# Altium PCB PCB1.PcbDoc
Units mm, origin at the board's own origin, x right, y up, seen from the top; angles counter-clockwise.
Board outline 79.29 x 87.59 mm, 2 copper layers (Top Layer, Bottom Layer); 73 components, 53 nets, 212 pads, 156 vias.
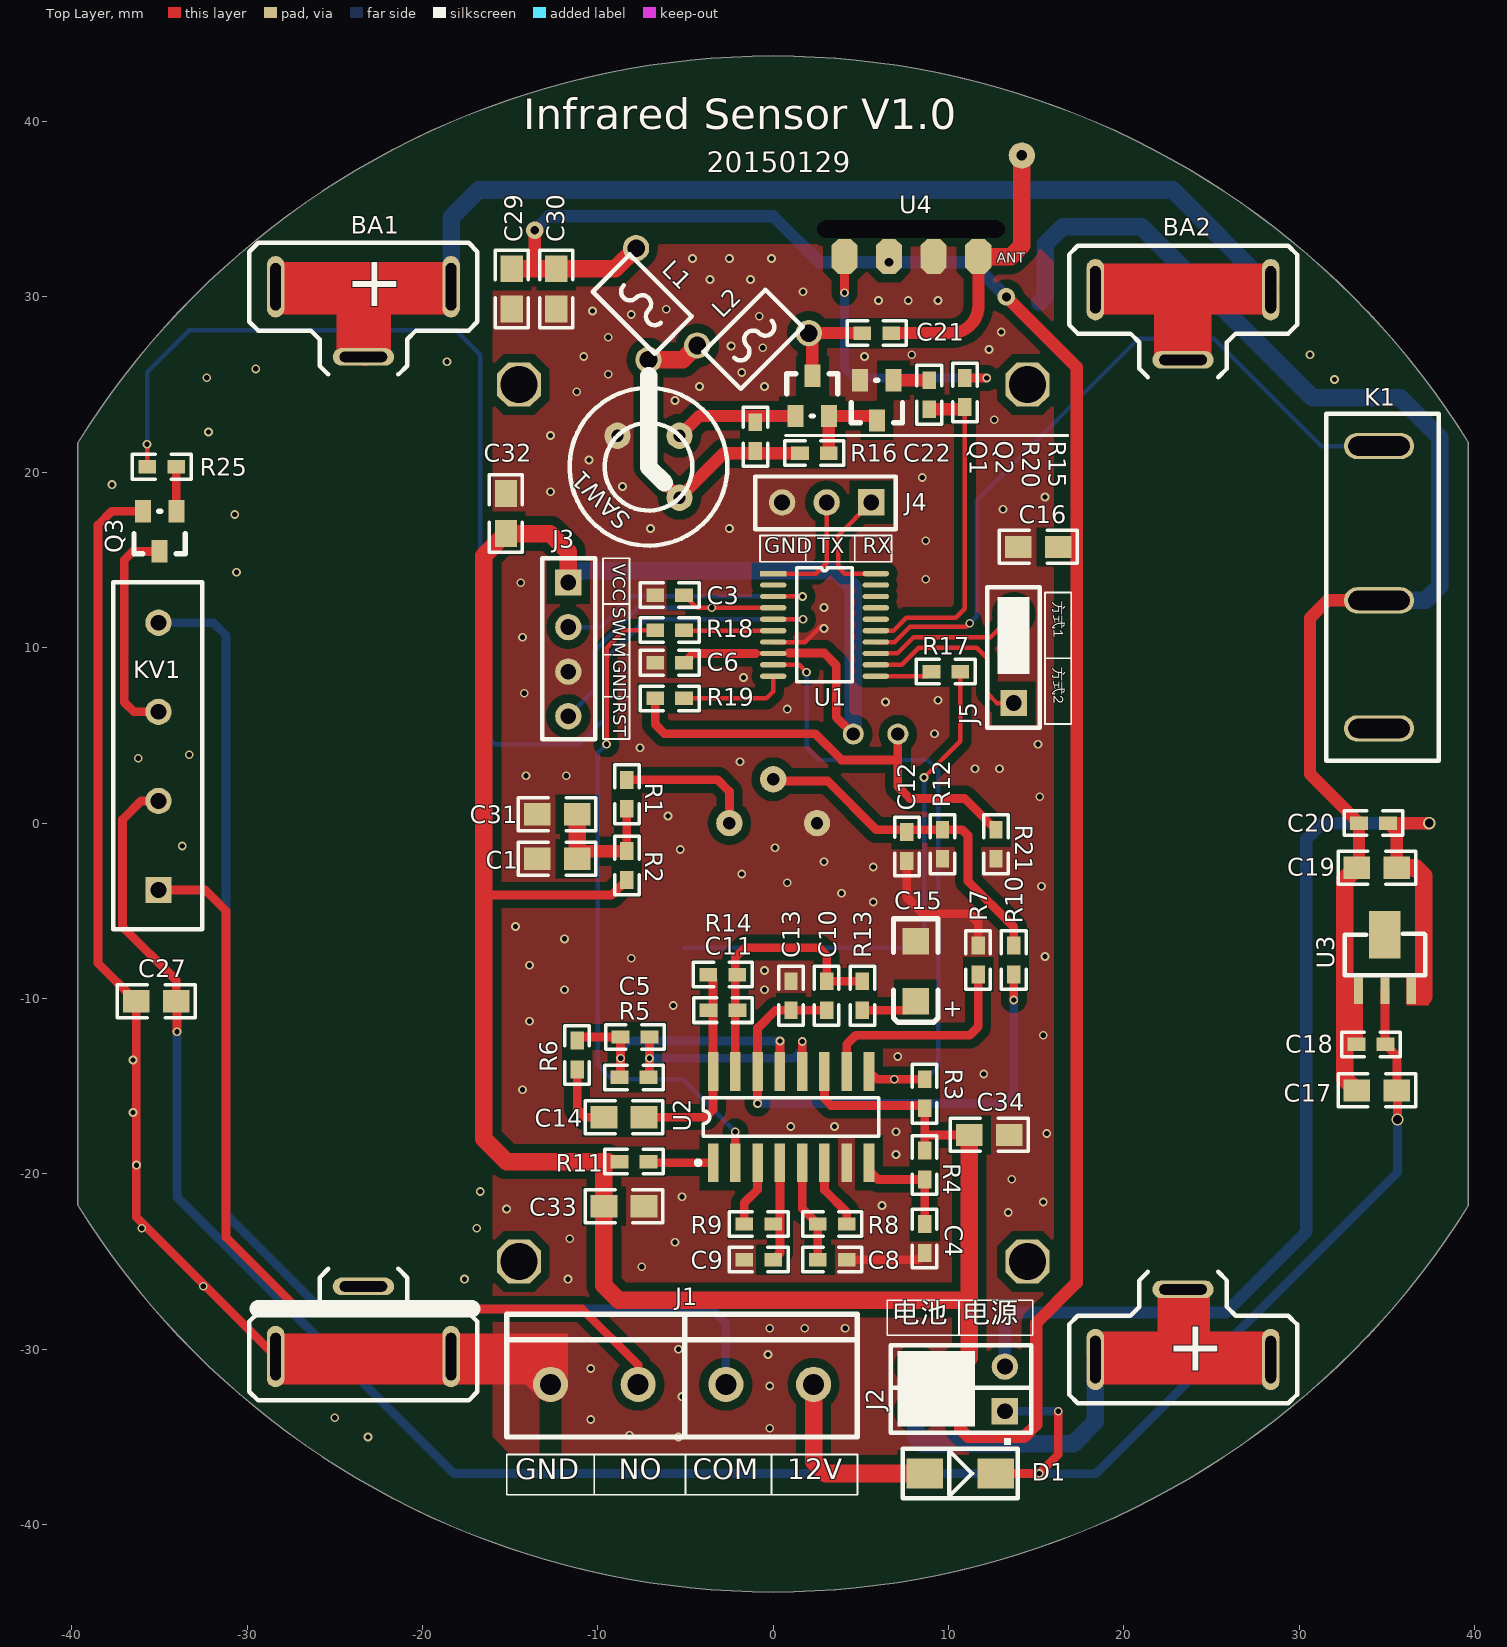
[diagram p0: Top Layer view]
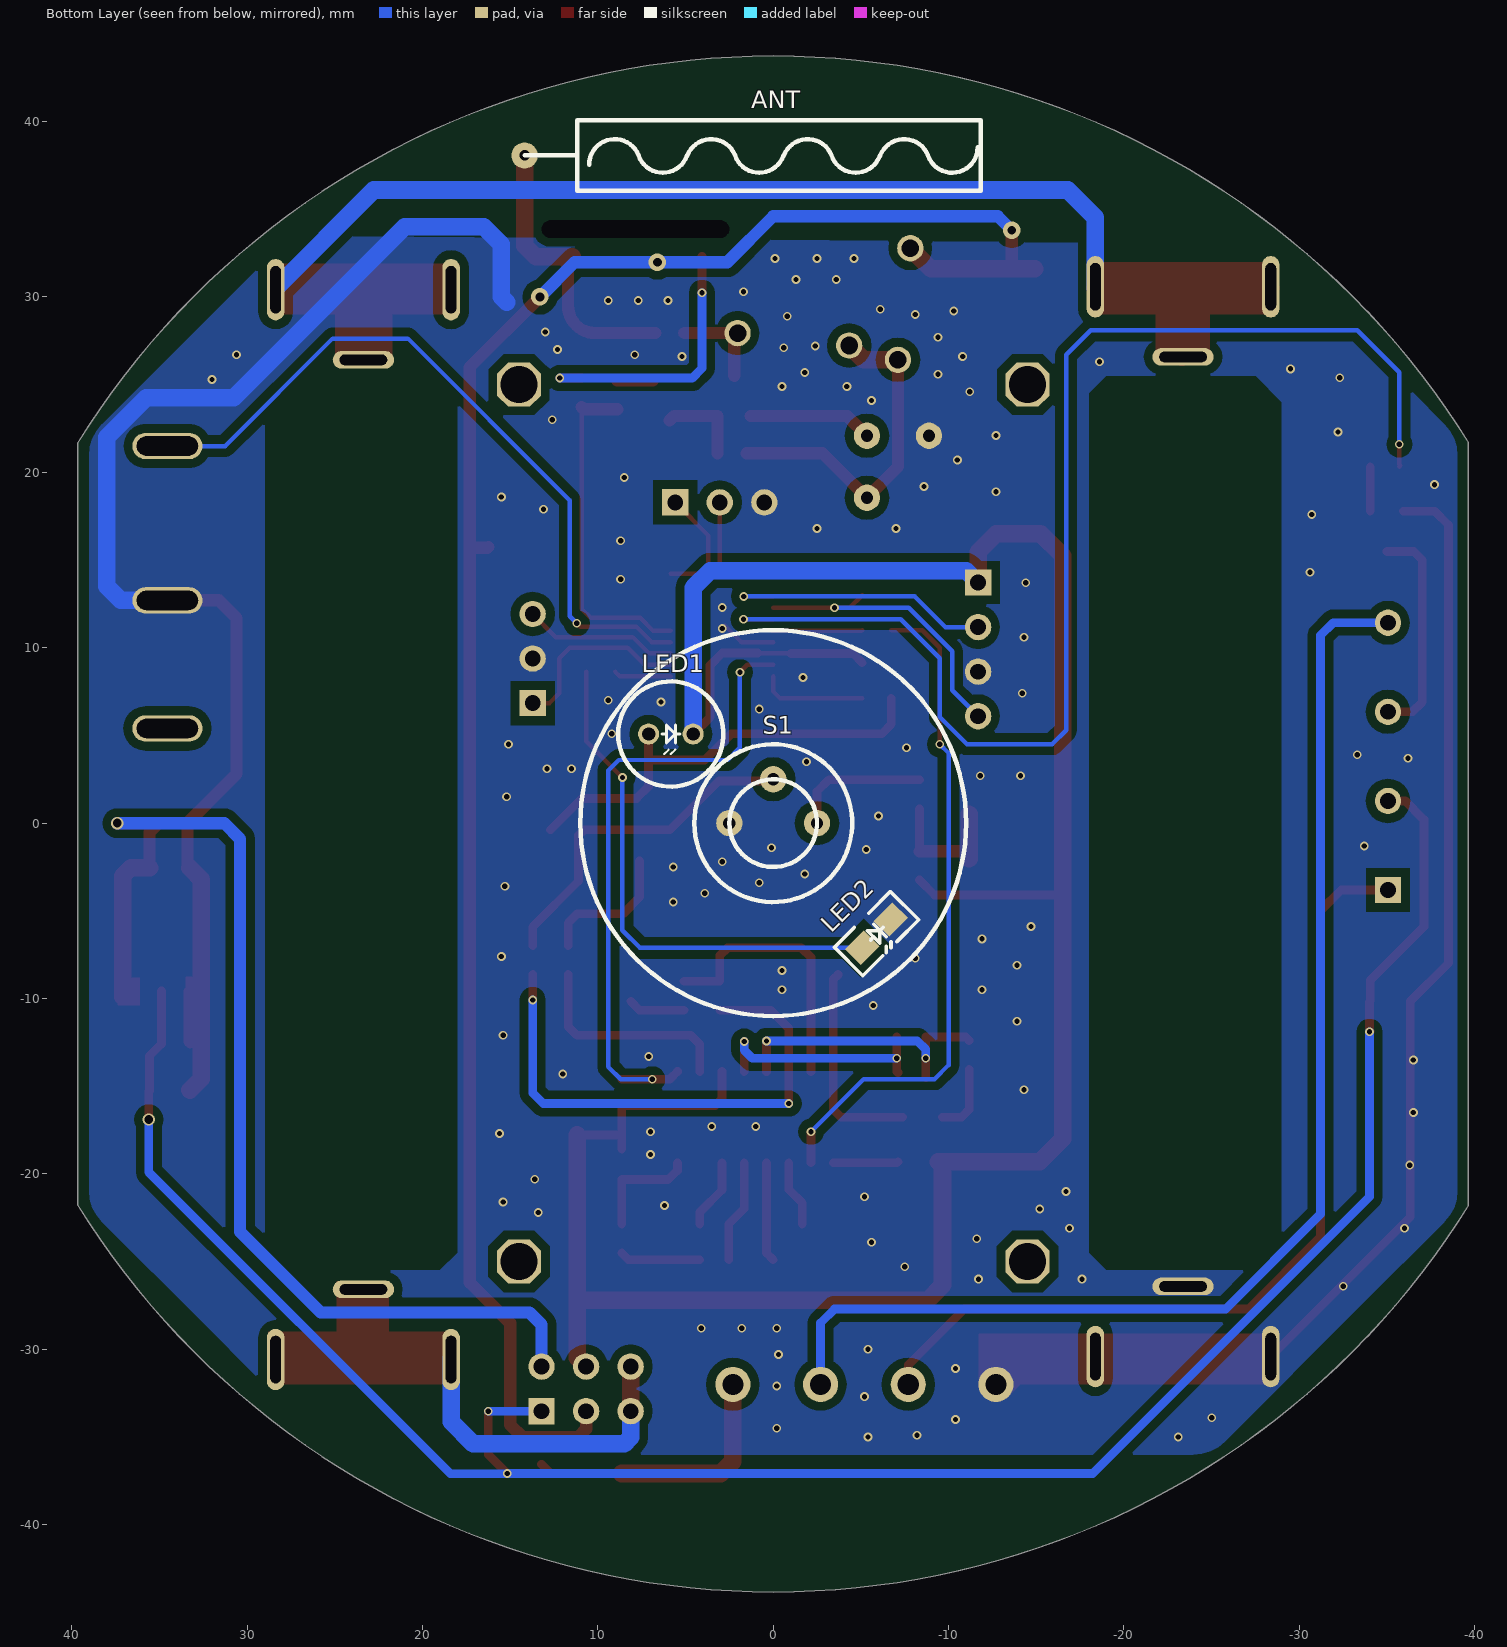
[diagram p1: Bottom Layer view, seen from below]

## Layer stack, top to bottom
Top Solder: solder mask 0.0102, Solder Resist, Dk 3.5
Top Layer: signal copper 0.0356
Dielectric1: dielectric 0.32, FR-4, Dk 4.8
Bottom Layer: signal copper 0.0356
Bottom Solder: solder mask 0.0102, Solder Resist, Dk 3.5

## Board outline
-39.643,-21.8 -39.643,21.7 cw(c0,-2.926) 39.643,21.7 39.643,-21.8 cw(c0,2.826)

## Design rules (kind name [scope] priority, off if disabled: settings)
Clearance [All] p1: gap=0.5
PlaneConnect [All] p1: planeconnectstyle=Direct reliefexpansion=0.508 reliefentries=4 reliefconductorwidth=0.254 reliefairgap=0.254
PolygonConnect [All] p1: connectstyle=Direct reliefconductorwidth=0.254 reliefentries=4 polygonreliefangle="90 Angle" airgapwidth=0.254
RoutingVias [All] p1: holewidth=0.711 width=1.27 viastyle="Through Hole" minholewidth=0.711 minwidth=1.27 maxholewidth=0.711 maxwidth=1.27
SilkToSolderMaskClearance SilkscreenOverComponentPads [IsPad] p1: minsilkscreentomaskgap=0.254 clearancetoexposedcopper=TRUE
SolderMaskExpansion [All] p1: expansion=0.102
Width [All] p1: maxlimit=5 minlimit=0.254 preferedwidth=0.254
28 further rules are at their usual default settings.

## Components (designator, comment, footprint, x,y, rotation, side; value= is the part's Value field where it differs from the comment)
ANT "ANT" ANT1 11.176,36.068 r180 bottom
BA1 "BAT" BAT-5 -23.368,-26.416 r90 top locked
BA2 "BAT" BAT-5 23.368,26.416 r270 top locked
C1 "10uF/16V" 0805 -11.176,-2.032 r180 top
C3 "0.1uF" 0603 -5.08,13 r180 top
C4 "0.1uF" 0603 8.636,-22.86 r270 top
C5 "0.1uF" 0603 -8.7,-12.192 r0 top
C6 "0.1uF" 0603 -5.08,9.144 r180 top
C8 "0.1uF" 0603 2.54,-24.892 r0 top
C9 "470P" 0603 0,-24.892 r180 top
C10 "470P" 0603 3.048,-10.668 r90 top
C11 "0.01uF" 0603 -2.032,-10.668 r180 top
C12 "0.1uF" 0603 7.62,-0.508 r270 top
C13 "0.1uF" 0603 1.016,-10.668 r90 top
C14 "10uF" 0805 -9.652,-16.764 r0 top
C15 "47uF/6.3V" A-3216 8.128,-10.16 r90 top
C16 "10uF/16V" 0805 16.256,15.748 r180 top (schematic designator C33)
C17 "10uF/16V" 0805 35.56,-15.24 r180 top
C18 "0.1uF" 0603 34.904,-12.612 r180 top
C19 "10uF/16V" 0805 35.56,-2.54 r180 top
C20 "0.1uF" 0603 35.052,0 r180 top
C21 "5P" 0603 5.08,27.94 r0 top
C22 "5P" 0603 1.52,21.096 r0 top
C27 "10uF/16V" 0805 -34.036,-10.16 r180 top
C29 "10uF/16V" 0805 -14.916,31.604 r270 top
C30 "10uF/16V" 0805 -12.376,31.604 r270 top
C31 "10uF/16V" 0805 -11.176,0.508 r180 top
C32 "10uF/16V" 0805 -15.24,18.796 r270 top
C33 "10uF/16V" 0805 -9.652,-21.844 r0 top
C34 "10uF/16V" 0805 11.176,-17.78 r0 top
D1 "M7" SMB 8.636,-37.084 r0 top
J1 "SIP4A-5.0" 5.0-4 -12.7,-32.004 r0 top
J2 "SIP6A-2.54" 2.54*3*2 13.208,-33.528 r180 top
J3 "SIP4A-2.54" 2.54-4px -11.684,13.716 r90 top
J4 "SIP3A-2.54" 2.54-TX -1.016,16.764 r0 top
J5 "SIP3A-2.54" 2.54-TX 12.192,13.448 r270 top
K1 "K1" SS-5GL 34.544,12.7 r270 top
KV1 "CRSS1A12" CRSS1A -35.052,6.096 r90 top
L1 "INDUCTOR" 4.5t -7.112,26.416 r315 top
L2 "INDUCTOR" 4.5T 2.032,27.94 r45 top
LED1 "LED1" LED-5 7.106,5.08 r180 bottom
LED2 "LED" LED-0805 -5.08,-7.112 r135 bottom
Q1 "NPN1" SOT-23 1.276,23.216 r0 top
Q2 "NPN1" SOT-23 6.864,25.248 r180 top
Q3 "NPN1" SOT-23 -34.036,17.78 r180 top
R1 "10K" 0603 -8.348,0.816 r90 top
R2 "10K" 0603 -8.348,-3.248 r90 top
R3 "47K" 0603 8.636,-16.256 r90 top
R4 "47K" 0603 8.636,-20.32 r90 top
R5 "1M" 0603 -7.112,-14.5 r180 top
R6 "10K" 0603 -11.176,-12.4 r270 top
R7 "1M" 0603 11.684,-8.636 r90 top
R8 "220K" 0603 2.54,-22.86 r0 top
R9 "27K" 0603 0,-22.86 r180 top
R10 "10K" 0603 13.716,-8.636 r90 top
R11 "47K" 0603 -7.112,-19.304 r180 top
R12 "47K" 0603 9.652,-2.032 r90 top
R13 "47K" 0603 5.08,-10.668 r90 top
R14 "2M" 0603 -3.7,-8.636 r0 top
R15 "27K" 0603 10.928,23.724 r90 top
R16 "27K" 0603 -1.016,22.86 r270 top
R17 "10K" 0603 10.668,8.636 r180 top
R18 "1K" 0603 -5.08,11 r180 top
R19 "10K" 0603 -5.08,7.112 r180 top
R20 "27K" 0603 8.896,25.248 r270 top
R21 "10K" 0603 12.7,-2.032 r90 top
R25 "1K" 0603 -34.036,20.32 r180 top
S1 "FIR-RE200B" TO-39 0,0 r180 bottom
SAW1 "" TO-39 -7.112,20.32 r315 top
U1 "STM8L101" TSSOP20 0,14.224 r0 top
U2 "BISS0001" SOP16 1.016,-16.764 r0 top
U3 "7133" SOT-89 33.38,-9.564 r0 top
U4 "H34A" H34 6.604,36.068 r180 top

## Footprints (in the part's own frame and the unit in brackets; to place one, negate y for a bottom-side part, rotate by r counter-clockwise, add the part's x,y. Pads: shape width x height; smd on the part's side, far side on the other; paste and mask are expansions set on the pad)
2.54*3*2 [mm]
  rect 1.5x1.5 hole 0.9: 1(0,0)
  round 1.5 hole 0.9: 2(2.54,0) 3(5.08,0) 4(0,-2.54) 5(2.54,-2.54) 6(5.08,-2.54)
  silkscreen extent -1.5,-3.77 6.5,1.93
2.54-4px [mm]
  rect 1.5x1.5 hole 0.9: 1(0,0)
  round 1.5 hole 0.9: 2(-2.54,0) 3(-5.08,0) 4(-7.62,0)
  silkscreen extent -8.93,-1.52 1.4,1.48
2.54-TX [mm]
  rect 1.5x1.5 hole 0.9: 1(6.604,1.524)
  round 1.5 hole 0.9: 2(4.064,1.524) 3(1.524,1.524)
  silkscreen extent 0,0 8,3
4.5t [mm]
  round 1.5 hole 1: 1(0,0) 2(-5,4)
  silkscreen extent -5,0.5 0,3.5
4.5T [mm]
  round 1.5 hole 1: 1(0,0) 2(-5,4)
  silkscreen extent -5,0.5 0,3.5
5.0-4 [mm]
  round 2 hole 1.2: 1(15,0) 2(10,0) 3(5,0) 4(0,0)
  silkscreen extent -2.5,-3 17.5,4
0603 [mil]
  rect 40x30 smd: 1(0,0) 2(65,0)
  silkscreen extent -33,-28 98,28
0805 [mil]
  rect 60x50 smd: 1(0,0) 2(90,0)
  silkscreen extent -42,-37 132,37
A-3216 [mil]
  rect 60x60 smd: 1(0,0) 2(135,0)
  silkscreen extent -47,-50 185,50
ANT1 [mm]
  round 1.5 hole 0.6: 1(-3,2)
  silkscreen extent -3,0 23,4
BAT-5 [mm]
  oval 1x3.5 hole 0.6 slot 2.7 at 90 deg: 1(0,0) 4(53,0)
  oval 3.5x1 hole 0.6 slot 2.7 at 0 deg: 2(-4,5) 3(-4,-5) 5(57,5) 6(57,-5)
  silkscreen extent -6.5,-6.5 59.5,6.5
CRSS1A [mm]
  rect 1.5x1.5 hole 0.9: 1(-9.91,0)
  round 1.5 hole 0.9: 3(-4.83,0) 5(0.25,0) 7(5.33,0)
  silkscreen extent -12.16,-2.5 7.64,2.58
H34 [mm]
  oct 1.5x2 smd: 1(-5.08,3.75) 2(-2.54,3.75) 3(0,3.75) 4(2.54,3.75)
  round 0 hole 1 slot 10.7 at 0 deg: ""(-1.25,2.2)
LED-5 [mm]
  round 1.2 hole 0.762: 1(0,0) 2(2.54,0)
  silkscreen extent -1.73,-3 4.26,3
LED-0805 [mil]
  rect 60x50 smd: 1(0,0) 2(90,0)
  silkscreen extent -43,-46 134,45
SMB [mm]
  rect 2.1x1.7 smd: 1(0,0) 2(4.05,0)
  silkscreen extent -1.25,-1.4 5.3,1.4
SOP16 [mm]
  rect 0.6x2.2 smd: 1(-4.445,-2.6) 2(-3.175,-2.6) 3(-1.905,-2.6) 4(-0.635,-2.6) 5(0.635,-2.6) 6(1.905,-2.6) 7(3.175,-2.6) 8(4.445,-2.6) 9(4.445,2.6) 10(3.175,2.6) 11(1.905,2.6) 12(0.635,2.6) 13(-0.635,2.6) 14(-1.905,2.6) 15(-3.175,2.6) 16(-4.445,2.6)
  silkscreen extent -5.42,-2.72 5,1.1
SOT-23 [mil]
  rect 36x50 smd: 1(0,0) 2(75,0) 3(37.5,90)
  silkscreen extent -20,0 95,95
SOT-89 [mm]
  rect 0.52x1.5 smd: 1(0,0) 2(1.5,0) 3(3,0)
  rect 1.8x2.7 smd: 4(1.5,3.2)
  silkscreen extent -0.8,0.9 3.8,3.25
SS-5GL [mm]
  oval 1.5x4 hole 1.1 slot 3.5 at 90 deg: 1(-8.8,0) 2(0,0) 3(7.3,0)
  silkscreen extent -10.65,-3 9.15,3.4
TO-39 [mm]
  round 1.5 hole 0.7: 1(2.5,0) 2(0,2.5) 3(-2.5,0)
  silkscreen extent -4.5,-4.5 4.5,4.5
TSSOP20 [mm]
  rect 1.5x0.3 smd: 1(0,0)
  oval 1.5x0.3 smd: 2(0,-0.65) 3(0,-1.3) 4(0,-1.95) 5(0,-2.6) 6(0,-3.25) 7(0,-3.9) 8(0,-4.55) 9(0,-5.2) 10(0,-5.85) 11(5.85,-5.85) 12(5.85,-5.2) 13(5.85,-4.55) 14(5.85,-3.9) 15(5.85,-3.25) 16(5.85,-2.6) 17(5.85,-1.95) 18(5.85,-1.3) 19(5.85,-0.65) 20(5.85,0)
  silkscreen extent 1.33,-6.18 4.52,0.32

## Part data
C1 C15 C16 C17 C19 C27 C29 C30 C31 C32 C33 C34: library part C+
C3 C4 C5 C6 C8 C9 C10 C11 C12 C13 C14 C18 C20 C21 C22: library part CAP
D1: library part DIODE
J1 J3: library part SIP4A-2.50(带槽)
J2: library part SIP6A-2.50(带槽)
J4 J5: library part SIP3A-2.50（带槽）
KV1: library part CRSS1A05
L1 L2: "4.5T"
Q1 Q2: "2SC3357"
Q3: "8050"
R1 R2 R3 R4 R5 R6 R7 R8 R9 R10 R11 R12 R13 R14 R15 R16 R17 R18 R19 R20 R21 R25: library part RES1
SAW1: library part CRYSTAL(表面接地)

## Free pads (board coordinates)
  oct 2.5x2.5 hole 2.1: ""(-14.5,-25) ""(-14.5,25) ""(14.5,-25) ""(14.5,25)

## Via types
v1: diameter 0.5, hole 0.3, Top Layer to Bottom Layer, 133 vias
v2: diameter 0.5, hole 0.3, Top Layer to Bottom Layer, tented both sides, 18 vias
v3: diameter 1, hole 0.5, Top Layer to Bottom Layer, 3 vias
v4: diameter 0.7, hole 0.5, Top Layer to Bottom Layer, tented both sides, 1 vias
v5: diameter 0.7, hole 0.5, Top Layer to Bottom Layer, 1 vias

## Nets (pads, with @x,y where several pads share a name; then routed paths per layer and width w, separated by ;. In a path a pad name is that pad's centre, name@x,y a point inside that pad or via, vN(x,y) a via of type N, cw(c..) or ccw(c..) an arc to the next point about the centre after c; other vN are vias at no path point)
3.3V: C6.1 C32.2 C33.1 C34.1 J2.5 J3.1 LED1.2 R2.1 R3.1 R4.2 R11.2 U1.8 U2.11 | length 149.1
  Top Layer w0.254: -1,9.674 U1.8 0.901,9.674
  Top Layer w0.5: -16.5,-4.1 -9.2,-4.1 R2.1 ; C6.1 -4.55,9.674 -1,9.674 ; 0.901,9.7 2.9,9.7 3.6,9 3.6,6.046 LED1.2 ; U2.11 2.921,-15.721 3.3,-16.1 8.48,-16.1 R3.1 8.636,-17.7 ; R4.2@8.636,-18.6 8.636,-17.7 ; C34.1 8.716,-17.78 8.636,-17.7
  Top Layer w1: J3.1 -11.684,15.484 -12.71,16.51 C32.2 -16.5,15.25 -16.5,-4.1 -16.5,-18 -15.196,-19.304 -9.4,-19.304 ; -9.652,-19.556 C33.1 -9.652,-26.348 -8.8,-27.2 10.776,-27.2 ; J2.5 10.776,-30.88 11.176,-30.48 C34.1
  Bottom Layer w1: J3.1 -11,14.4 3.6,14.4 4.566,13.434 LED1.2
ANT: ANT.1 C21.2 U4.1 | length 19.8
  Top Layer w0.7: 8.688,27.94 C21.2 10.14,27.94 ccw(c10.14,29.5) 11.7,29.5 11.7,32.175 11.811,32.286 11.811,31.925 U4.1@11.45,32.286 ; U4.1 cw(c11.645,32.279) U4.1@11.7,32.286 ; U4.1 cw(c11.645,32.279) U4.1@11.7,32.286 ; U4.1 cw(c11.645,32.279) U4.1@11.7,32.286 ; U4.1 cw(c11.645,32.279) U4.1@11.7,32.286 ; U4.1@11.7,32.279 ccw(c11.645,32.279) U4.1@11.7,32.286 ; U4.1@11.7,32.279 ccw(c11.645,32.279) U4.1@11.7,32.286 ; U4.1@11.7,32.279 ccw(c11.645,32.279) U4.1@11.7,32.286 ; U4.1@11.7,32.279 ccw(c11.645,32.279) U4.1@11.7,32.286
  Top Layer w1: U4.1@11.45,32.286 11.7,32.286 11.811,32.286 13.536,32.286 14.176,32.926 ANT.1
EN: R11.1 U2.1 | length 3.7
  Top Layer w0.5: R11.1 -7.052,-19.364 U2.1
GND: BA1.1 BA1.2 BA1.3 C1.2 C3.2 C4.2 C6.2 C8.2 C9.2 C12.2 C13.2 C15.2 C16.2 C17.2 C18.2 C19.2 C20.2 C27.2 C29.2 C30.2 C31.2 C32.1 C33.2 C34.2 J1.4 J3.3 J4.3 J5.2 K1.2 LED2.2 Q2.2 Q3.2 R7.2 R12.1 R21.1 S1.3 SAW1.3 U1.7 U2.7 U3.1 U4.2 | length 156.3
  Top Layer w0.254: U1.7 1.824,10.324 v1@2.75,11.25
  Top Layer w0.5: Q3.2 -37.72,17.78 -38.5,17 -38.5,-7.982 C27.2 -36.322,-22.462 BA1.2 ; C8.2 8.255,-24.892 C4.2 ; C12.2 7.62,-4.228 8.56,-5.168 11.168,-5.168 11.684,-5.684 R7.2 ; C18.2 33.38,-12.485 U3.1
  Top Layer w0.7: C19.2 33.401,-2.413 C20.2 30.6,2.801 30.6,11.7 31.6,12.7 K1.2
  Top Layer w1: BA1.3@-18.368,-30.5 -16.5,-30.5 ; C17.2 32.6,-14.566 32.6,-3.214 C19.2
  Top Layer w2: -16.5,-30.5 -14.204,-30.5 J1.4
  Bottom Layer w1: 15.2,29.7 15.5,30 15.5,33 16.5,34 21,34 30.75,24.25 35.75,24.25 38,22 38,13.5 37.2,12.7 K1.2
  other v1: -23.1,-35 -5.4,-35 -8.2,-34.9 -0.2,-34.5 -10.4,-34 -25,-33.9 -5.2,-32.7 -0.2,-32.1 -10.4,-31.1 -0.3,-30.3 -5.4,-30 -0.2,-28.8 1.8,-28.8 4.1,-28.8 -32.5,-26.4 -17.6,-26 -11.7,-26 -7.5,-25.3 -5.6,-23.9 -11.6,-23.7 -36,-23.1 -16.9,-23.1 13.4,-22.2 -15.2,-22 6.2,-21.8 15.4,-21.6 -5.2,-21.3 -16.7,-21 13.6,-20.3 -36.3,-19.5 7,-18.9 15.6,-17.7 7,-17.6 1,-17.3 3.5,-17.3 -36.5,-16.5 -14.3,-15.2 12,-14.3 -36.5,-13.5 7.1,-13.3 15.4,-12.1 -13.9,-11.3 -5.7,-10.4 -11.9,-9.5 -0.5,-9.5 -0.5,-8.4 -13.9,-8.1 -8.1,-7.7 15.5,-7.6 -11.9,-6.6 -14.7,-5.9 5.7,-4.5 3.9,-4 15.3,-3.6 0.8,-3.4 -1.8,-2.9 5.7,-2.5 2.9,-2.2 -5.3,-1.5 0.1,-1.4 -33.7,-1.3 -6,0.4 15.2,1.5 -14.1,2.7 -11.8,2.7 11.5,3.1 12.9,3.1 -1.9,3.5 -36.2,3.7 -33.3,3.9 -7.6,4.3 15.1,4.5 9.2,5.1 0.8,6.5 6.4,6.9 9.4,7 -14.2,7.4 -1.7,8.3 -14.3,10.6 2.9,11.1 2.9,12.3 -14.4,13.7 8.7,13.9 -30.6,14.3 8.7,16.1 -7,16.8 -2.5,16.8 -30.7,17.6 13.1,17.9 15.5,18.6 -12.7,18.9 -8.6,19.2 -37.7,19.3 8.5,19.7 -10.5,20.7 -12.7,22.1 -32.2,22.3 12.6,23 -5.6,24.1 -11.2,24.6 -4.2,24.9 -0.5,24.9 32,25.3 -32.3,25.4 -9.4,25.6 -1.8,25.7 -29.5,25.9 -18.6,26.3 -10.8,26.6 5.2,26.6 7.9,26.7 30.6,26.7 12.3,27 -0.6,27.1 -2.4,27.2 -9.4,27.7 13,28 -0.8,28.9 -8.1,29 -10.3,29.2 -6.1,29.3 6,29.8 7.7,29.8 9.4,29.8 1.7,30.3 -3.6,31 -1.3,31 -4.6,32.2 -2.5,32.2 -0.1,32.2
K1: J1.2 KV1.7 | length 71.7
  Bottom Layer w0.5: KV1.7 -31.926,11.426 -31.2,10.7 -31.2,-22.3 -25.8,-27.7 -3.5,-27.7 -2.7,-28.5 J1.2
K2: J1.3 KV1.1 | length 50.6
  Top Layer w0.5: KV1.1 -32.386,-3.814 -31.2,-5 -31.2,-23.6 -27.1,-27.7 -10.9,-27.7 -7.7,-30.9 J1.3
NetBA1_4: BA1.4 BA1.5 BA1.6 BA2.1 BA2.2 | length 67.7
  Top Layer w1: BA1.5@-28.368,30.5 -23.3,30.5 ; BA1.4@-23.3,26.568 -23.3,30.5 ; BA1.6@-18.368,30.5 -23.3,30.5
  Bottom Layer w1: BA1.6@-18.368,30.5 -18.368,34.532 -16.8,36.1 22.768,36.1 BA2.2@28.368,30.5
NetC1_1: C1.1 C31.1 R1.1 R2.2 | length 7.3
  Top Layer w0.5: R2.2 R1.1
  Top Layer w0.7: C1.1@-10.741,-1.597 R2.2
  Top Layer w1: C1.1 C31.1
NetC4_1: C4.1 R4.1 U2.8 | length 6.4
  Top Layer w0.5: U2.8 5.461,-19.8 5.981,-20.32 R4.1 C4.1
NetC5_1: C5.1 R5.2 R6.1 U2.13 | length 16.4
  Top Layer w0.5: R6.1 -10.968,-12.192 C5.1 v2(-8.7,-13.4) R5.2@-8.7,-14.5 ; U2.13 v2(0.381,-12.419)
  Bottom Layer w0.5: v2(-8.7,-13.4) -8.7,-12.9 -8.219,-12.419 v2(0.381,-12.419)
NetC5_2: C5.2 R5.1 U2.12 | length 13.2
  Top Layer w0.5: R5.1@-7.112,-14.224 -7.049,-14.161 v2(-7.049,-13.4) C5.2 ; U2.12 v2(1.651,-12.451)
  Bottom Layer w0.5: v2(-7.049,-13.4) 1.2,-13.4 1.651,-12.949 v2(1.651,-12.451)
NetC8_1: C8.1 R8.1 U2.5 | length 5.9
  Top Layer w0.5: U2.5 1.651,-21.971 R8.1 C8.1
NetC9_1: C9.1 R9.1 U2.4 | length 5.7
  Top Layer w0.5: C9.1 0.381,-24.511 U2.4
NetC10_1: C10.1 C13.1 R10.1 U2.14 | length 31.1
  Top Layer w0.5: v2(-0.889,-15.989) U2.14 -0.889,-11.689 0.132,-10.668 C13.1 C10.1 ; v2(13.716,-10.084) R10.1
  Bottom Layer w0.5: v2(-0.889,-15.989) 13.111,-15.989 13.716,-15.384 13.716,-13.7 ; 13.716,-14.584 13.716,-13.7 ; v2(13.716,-10.084) 13.716,-13.7
NetC10_2: C10.2 C11.1 R13.2 R14.2 U2.15 | length 15.6
  Top Layer w0.5: U2.15 -2.159,-10.795 -2.159,-8.636 -2.159,-7.659 -1.6,-7.1 2.6,-7.1 3.048,-7.548 C10.2 R13.2
NetC11_2: C11.2 C14.2 R14.1 U2.16 | length 11.9
  Top Layer w0.5: C14.2 -3.864,-16.764 -3.429,-16.329 U2.16 -3.429,-8.907 R14.1
NetC12_1: C12.1 R10.2 R12.2 S1.2 | length 19.8
  Top Layer w0.5: S1.2 0.1,2.4 3.1,2.4 5.881,-0.381 R12.2 10.781,-0.381 11.1,-0.7 11.1,-3.3 13.716,-5.916 R10.2
NetC14_1: C14.1 R6.2 | length 4
  Top Layer w0.5: R6.2 -11.176,-16.324 -10.736,-16.764 C14.1
NetC15_1: C15.1 R13.1 | length 3.3
  Top Layer w0.5: R13.1 7.62,-10.668 C15.1
NetC21_1: C21.1 L2.1 Q1.3 | length 5.6
  Top Layer w0.7: Q1.3 2.228,27.744 L2.1 C21.1
NetC22_1: C22.1 L1.1 L2.2 R16.2 SAW1.1 | length 19.6
  Top Layer w0.7: L1.1 -7.112,20.32 SAW1.1 -2.8,21.096 C22.1
  Top Layer w1: L1.1 -5.149,26.416 L2.2
NetC22_2: C22.2 Q1.2 Q2.3 | length 5
  Top Layer w0.7: C22.2 3.171,23.206 Q1.2 5.657,23.216 Q2.3
NetD1_1: D1.1 J1.1 | length 11
  Top Layer w1: J1.1 2.3,-36.4 2.984,-37.084 D1.1
NetKV1_5: KV1.5 Q3.3 | length 12.5
  Top Layer w0.5: KV1.5 -36.446,6.346 -37,6.9 -37,15 -36.506,15.494 Q3.3
NetLED1_1: LED1.1 R19.2 R21.2 | length 26.4
  Top Layer w0.5: R19.2 -6.731,5.631 -6.2,5.1 2.4,5.1 3.9,3.6 7.106,3.6 ; 7.106,4.406 LED1.1 7.106,2.094 7.8,1.4 10.919,1.4 R21.2
NetLED2_1: LED2.1 R17.1 | length 31.2
  Top Layer w0.254: v2(8.6,2.6) 10.668,4.668 R17.1 10.668,7.168
  Bottom Layer w0.254: LED2.1 7.6,-7.112 8.6,-6.112 v2(8.6,2.6)
NetQ1_1: Q1.1 R16.1 SAW1.2 | length 7.1
  Top Layer w0.7: SAW1.2 -4.216,23.216 Q1.1
NetQ2_1: Q2.1 R20.1 | length 2
  Top Layer w0.7: Q2.1 R20.1
NetQ3_1: Q3.1 R25.1 | length 2.5
  Top Layer w0.5: Q3.1 R25.1
NetR1_2: R1.2 S1.1 | length 7.9
  Top Layer w0.5: R1.2 -3.167,2.467 -2.5,1.8 S1.1
NetR7_1: R7.1 U2.10 | length 12.4
  Top Layer w0.5: U2.10 4.191,-12.609 4.7,-12.1 11.2,-12.1 11.684,-11.616 R7.1
NetR8_2: R8.2 U2.6 | length 4
  Top Layer w0.5: U2.6 2.921,-20.921 4.191,-22.191 R8.2
NetR9_2: R9.2 U2.3 | length 3.8
  Top Layer w0.5: R9.2 -1.651,-21.651 -0.889,-20.889 U2.3
NetR15_2: R15.2 U4.4 | length 16.3
  Top Layer w0.5: v1(4.064,30.236) U4.4 U4.4@4.064,32.036 ; R15.2 v1(12.175,25.375)
  Bottom Layer w0.5: v1(4.064,30.236) 4.064,25.936 4.625,25.375 v1(12.175,25.375)
NetR18_2: R18.2 U2.2 | length 38.4
  Top Layer w0.254: v2(-9.5,4.5) -9.5,10 -8.5,11 R18.2
  Top Layer w0.5: U2.2 v2(-2.159,-17.591)
  Bottom Layer w0.254: v2(-9.5,4.5) -10,4 -10,-13.797 -9.197,-14.6 -5.15,-14.6 v2(-2.159,-17.591)
NRST: C3.1 J3.4 U1.4 | length 17.4
  Top Layer w0.254: C3.1 -4.354,12.274 v2(-3.5,12.274) U1.4
  Bottom Layer w0.254: J3.4 -10.2,7.58 -10.2,9.8 -7.726,12.274 v2(-3.5,12.274)
PA0: J3.2 U1.3 | length 16
  Top Layer w0.254: J3.2 J3.2@-11.424,11.176 ; U1.3 v2(1.676,12.924)
  Bottom Layer w0.254: J3.2 -9.824,11.176 -8.076,12.924 v2(1.676,12.924)
PA2: R25.2 U1.5 | length 72.8
  Top Layer w0.254: v2(-35.7,21.6) -35.7,20.467 -35.767,20.4 R25.2 ; U1.5 v2(1.7,11.624)
  Bottom Layer w0.254: v2(-35.7,21.6) -35.7,25.7 -33.3,28.1 -18.1,28.1 -16.7,26.7 -16.7,5.3 -15.9,4.5 -11.05,4.5 -9.5,6.05 -9.5,9.4 -7.276,11.624 v2(1.7,11.624)
PA3: R18.1 U1.6 | length 5.1
  Top Layer w0.254: R18.1 -5.054,10.974 U1.6
PB0: R19.1 U1.10 | length 6.1
  Top Layer w0.254: R19.1 -0.388,7.112 0,7.5 U1.10
PB1: R17.2 U1.11 | length 3.3
  Top Layer w0.254: U1.11 8.755,8.374 R17.2
PB2: J5.1 U1.12 | length 10.7
  Top Layer w0.254: U1.12 7.324,9.024 8.3,10 11.6,10 12.2,9.4 12.2,7.4 12.756,6.844 J5.1
PB3: J5.3 U1.13 | length 8.8
  Top Layer w0.254: U1.13 7.074,9.674 8,10.6 12.392,10.6 J5.3
PB4: K1.1 U1.14 | length 43.1
  Top Layer w0.254: U1.14 6.924,10.324 7.8,11.2 10.2,11.2 ; 10.7,11.2 10.2,11.2 ; v2(11.2,11.4) 11,11.2 10.2,11.2
  Bottom Layer w0.254: v2(11.2,11.4) 11.6,11.8 11.6,12.4 ; 11.6,12.1 11.6,12.4 ; K1.1 31.25,21.5 25.123,27.627 20.827,27.627 11.6,18.4 11.6,12.4
PB5: R15.1 R20.2 U1.15 | length 19.2
  Top Layer w0.254: U1.15 6.856,10.974 7.59,11.708 10.408,11.708 10.928,12.228 R15.1
  Top Layer w0.7: R20.2 10.801,23.597 R15.1
PB6: U1.16
PC2_USART_RX: J4.1 U1.20 | length 6.8
  Top Layer w0.254: J4.1 3.7,16.4 3.7,14.6 4.076,14.224 U1.20
PC3_USART_TX: J4.2 U1.1 | length 6.7
  Top Layer w0.254: U1.1 2.424,14.224 3.048,14.848 J4.2
PD0: R3.2 U1.9 U2.9 | length 37.5
  Top Layer w0.254: U1.9 1.476,9.024 v2(1.9,8.6)
  Top Layer w0.5: U2.9 5.902,-14.605 v2(6.9,-14.605) R3.2
  Bottom Layer w0.254: v2(1.9,8.6) 1.9,4.3 2.6,3.6 8.8,3.6 9.4,3 9.4,-13.9 8.695,-14.605 v2(6.9,-14.605)
VBT+: BA2.4 BA2.5 BA2.6 J2.3 J2.6 | length 18.6
  Top Layer w1: J2.3 J2.6
  Bottom Layer w1: J2.3 8.128,-35.028 8.5,-35.4 17.1,-35.4 18.368,-34.132 BA2.6@18.368,-30.5
VCC+3.3V: C19.1 C20.1 J2.4 U3.3 | length 65.3
  Top Layer w0.7: C19.1 35.56,-0.508 C20.1 v4(37.4,0)
  Top Layer w1: C19.1 36.64,-2.54 37.1,-3 37.1,-9.9
  Bottom Layer w0.7: J2.4 13.208,-28.592 13.9,-27.9 25.8,-27.9 30.4,-23.3 30.4,-0.9 31.3,0 v4(37.4,0)
VIN: C17.1 C18.1 C27.1 D1.2 J2.1 KV1.3 U3.2 | length 129.5
  Top Layer w0.5: KV1.3 -36.034,1.266 -37.1,0.2 -37.1,-5.9 -34.036,-8.964 C27.1 -34,-10.196 v1(-34,-11.9) v1@-34.036,-11.864 ; D1.2@13.208,-36.562 D1.2 v2(15.166,-37.084) 16.25,-36 v2(16.25,-33.528) ; U3.2 C18.1@34.88,-12.588 ; v5(35.6,-16.9) 35.6,-15.28 C17.1 35.56,-13.268 C18.1 ; C18.1@34.88,-12.588 C18.1 ; C18.1@34.88,-12.588 C18.1
  Bottom Layer w0.5: v1(-34,-11.9) -34,-21.3 -18.216,-37.084 v2(15.166,-37.084) ; J2.1 v2(16.25,-33.528) ; v2@15.166,-37.1 18.4,-37.1 35.6,-19.9 v5(35.6,-16.9)
VW: C16.1 C29.1 C30.1 J2.2 L1.2 U4.3 | length 114.9
  Top Layer w0.7: -13.6,31.604 v3(-13.6,33.8) ; J2.2 10.668,-34.552 11.116,-35 14.3,-35 15,-34.3 15,-28.5 17.3,-26.2 17.3,15.7 ; v3(13.3,30) 17.3,26 17.3,15.7 ; C16.1 16.304,15.7 17.3,15.7
  Top Layer w1: C29.1 -13.6,31.604 C30.1 ; -10.204,31.604 C30.1 ; L1.2 -8.995,31.604 C30.1
  Bottom Layer w0.7: v3(-13.6,33.8) -12.8,34.6 0,34.6 2.614,31.986 v3(6.6,31.986) 11.314,31.986 v3(13.3,30)
pads on no net: BA2.3 K1.3 U1.2 U1.17 U1.18 U1.19 U3.4 U4.

## Polygon pours and split planes (outlines as drawn)
GND on Bottom Layer "Bottom Layer-No Net" (solid, remove dead copper, pour order 1000): -28,33 -38.256,22.744 ccw(c-36.46,20.948) -39,20.948 -39,5 -39,-20.948 ccw(c-36.46,-20.948) -38.256,-22.744 -33.5,-27.5 -25.744,-35.256 ccw(c-23.948,-33.46) -23.948,-36 -6.5,-36 23.948,-36 ccw(c23.948,-33.46) 25.744,-35.256 32.5,-28.5 38.256,-22.744 ccw(c36.46,-20.948) 39,-20.948 39,-14.5 39,20.948 ccw(c36.46,20.948) 38.256,22.744 27.5,33.5
GND on Top Layer "Bottom Layer-No Net" (solid, pour order 1001): -15,-36 -16,-35 -16,-30 -16,32 -15,33 -3,33 15,33 16,32 16,29 16,-35 15,-36 -15,-36

## Other copper
Top Layer:
  rectangle net GND: 32.6,-12.75 33.5,-8.75
  rectangle net VBT+: 21.9,-30.1 24.9,-26.1
  rectangle net VBT+: 18,-32 28.8,-29
  rectangle net GND: -28.8,-32 -11.7,-29.1
  rectangle net NetBA1_4: 21.7,26.2 25,29.8
  rectangle net NetBA1_4: 17.9,29 28.7,31.9
  rectangle net NetBA1_4: -24.9,26.2 -21.8,30.5
  rectangle net NetBA1_4: -28.6,29 -18,32
  rectangle net VCC+3.3V: 36.1,-10.4 37.4,-8.8
  pour cut-out: -27.5,25.5 -29,24 -29,-24 -27.5,-25.5 -19,-25.5 -18,-24.5 -18,24.5 -19,25.5
  pour cut-out: 27.4,-25.7 28.9,-24.2 28.9,23.8 27.4,25.3 18.9,25.3 17.9,24.3 17.9,-24.7 18.9,-25.7
Bottom Layer:
  pour cut-out: -27.5,25.5 -29,24 -29,-24 -27.5,-25.5 -19,-25.5 -18,-24.5 -18,24.5 -19,25.5
  pour cut-out: 27.5,-25.5 29,-24 29,24 27.5,25.5 19,25.5 18,24.5 18,-24.5 19,-25.5

## Silkscreen, mask and mechanical layers (free items; w line width, h text height)
Top Overlay:
  region: 14.6,8.5 14.6,12.9 12.8,12.9 12.8,8.5
  rectangle: 7.1,-34.4 11.5,-30.1
  lines w0.1: -10.2,-38.3 -10.2,-36 ; -9.7,7.2 -8.2,7.2 ; -9.7,9.6 -8.2,9.6 ; -9.7,12.5 -8.2,12.5 ; -5,-38.3 -5,-36 ; -0.1,-38.3 -0.1,-36 ; 1.848,14.9 1.848,16.4 ; 4.648,14.9 4.648,16.4 ; 10.6,-29.2 10.6,-27.2 ; 15.5,9.4 17,9.4 ; -15.2,-38.3 -15.2,-36 4.8,-36 4.8,-38.3 -15.2,-38.3 ; -9.7,4.8 -8.2,4.8 -8.2,15.1 -9.7,15.1 -9.7,4.8 ; -0.752,14.9 6.748,14.9 6.748,16.4 -0.752,16.4 -0.752,14.9 ; 6.5,-29.2 14.8,-29.2 14.8,-27.2 6.5,-27.2 6.5,-29.2 ; 15.5,5.652 17,5.652 17,13.152 15.5,13.152 15.5,5.652
  lines w0.15: 0.7,22.1 16.8,22.1
  lines w0.254: 6.7,-32.2 14.6,-32.2
  lines w1: -29.368,-27.7 -17.2,-27.7 ; -7.1,25.5 -7.1,20.3 -6.2,19.4
  text "Infrared Sensor V1.0" at -14.25,39 h3
  text "20150129" at -3.8,36.7 h2
  text "ANT" at 12.75,31.75 h1
  text "+" at -24.4,28.5 h5
  text "GND" at -0.5,15.1 h1.5
  text "TX" at 2.5,15.1 h1.5
  text "RX" at 5.1,15.1 h1.5
  text "VCC" at -9.4,14.8 h1.3 r270
  text "方式1" at 15.8,12.652 h1 r270
  text "SWIM" at -9.4,12.3 h1.3 r270
  text "GND" at -9.388,9.312 h1.3 r270
  text "方式2" at 15.8,8.9 h1 r270
  text "RST" at -9.38,6.92 h1.3 r270
  text "电池" at 6.8,-28.9 h2
  text "电源" at 10.8,-28.9 h2
  text "+" at 22.4,-32.2 h5
  text "GND" at -14.7,-37.8 h2
  text "NO" at -8.8,-37.8 h2
  text "COM" at -4.6,-37.8 h2
  text "12V" at 0.8,-37.8 h2
Bottom Overlay:
  circle w0.254: c0,0 r11
Mechanical 1:
  the board outline again, w0.254

## Text inside footprints (layer, text, board x,y; h text height)
C15: Top Overlay "+" at 10.668,-11.176 h1 r90